# Altium PCB AD-FMComms3_revA.PcbDoc (part 1 of 6) (continued)
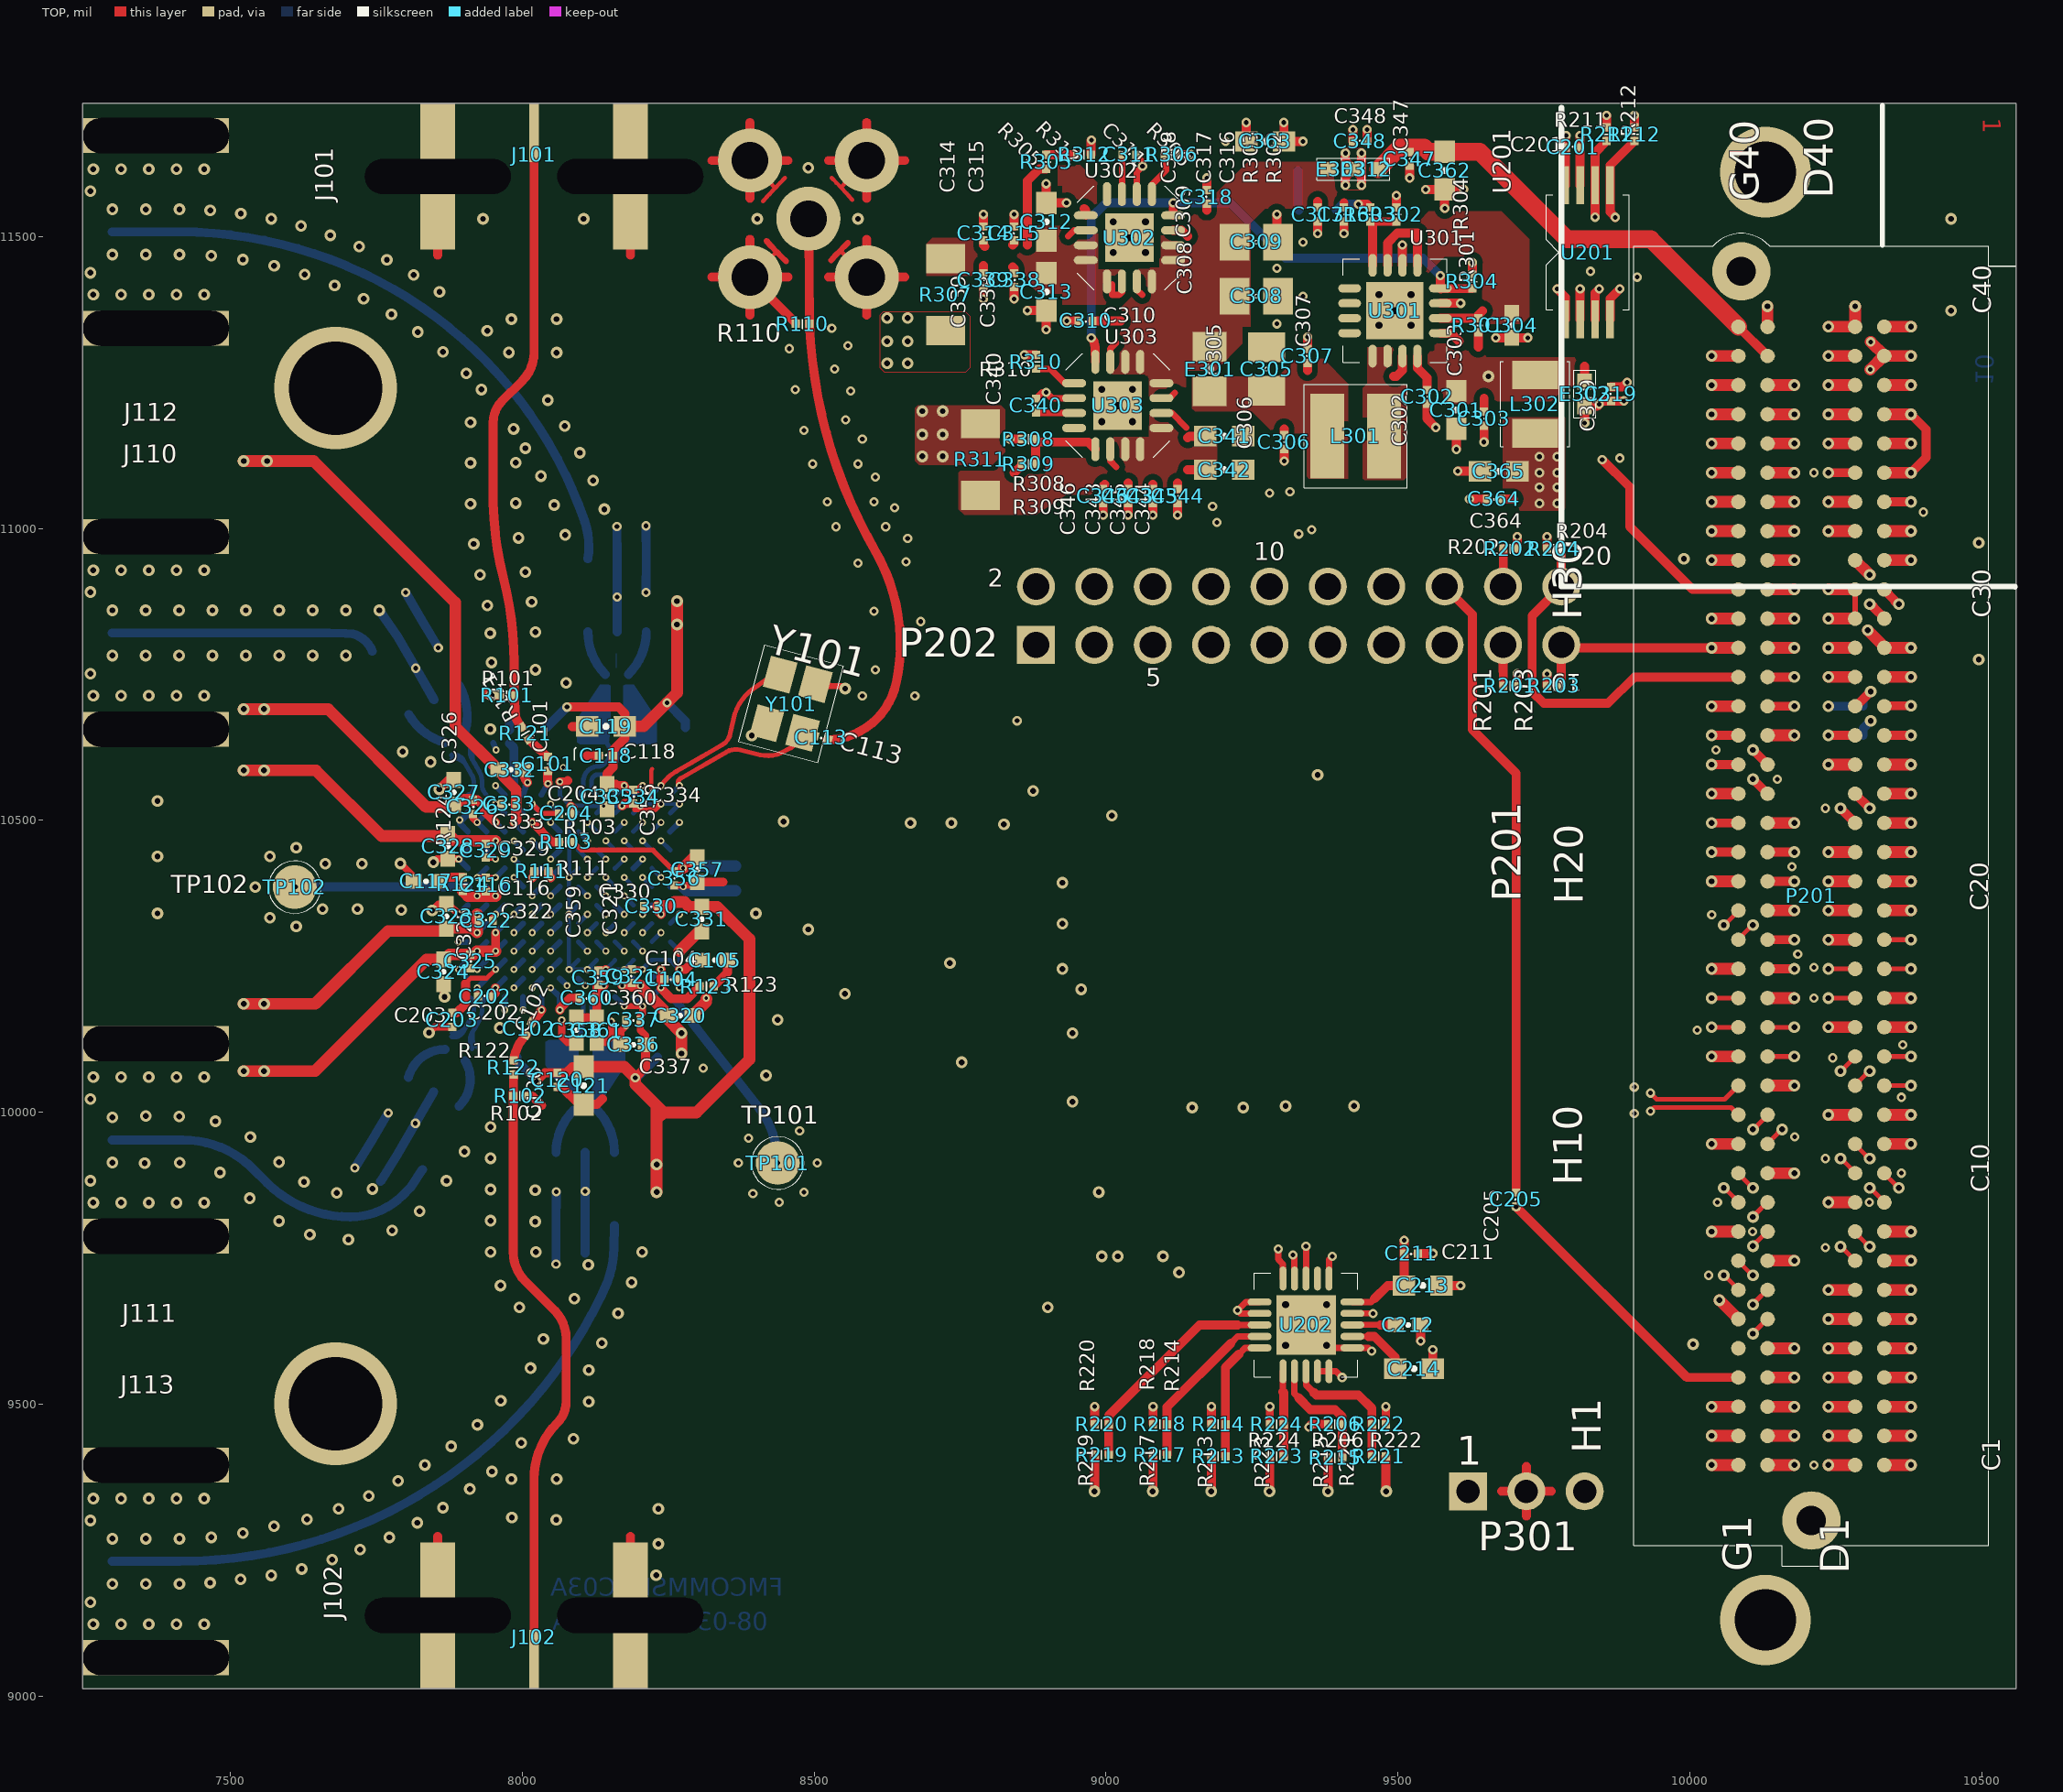
[diagram p0: TOP view]
## Components (designator, comment, footprint, x,y, rotation, side; value= is the part's Value field where it differs from the comment) (continued)
SSSS "AD9361_SM-AD9361BBCZ,E011827,BB" BGA144 8080,10370.5 r90 bottom
T105 "XFMRTCMXXXX_V3_SM-TCM1-63AX+,EB" TSML150W160H160#1 7817.5,10760.5 r210 bottom
T106 "XFMRTCMXXXX_V3_SM-TCM1-63AX+,EB" TSML150W160H160#1 7816.79,9980.9 r330 bottom
T107 "XFMRTCMXXXX_V3_SM-TCM1-63AX+,EB" TSML150W160H160#2 8162.22,10885.48 r0 bottom
T108 "XFMRTCMXXXX_V3_SM-TCM1-63AX+,EB" TSML150W160H160#3 8107.77,9868.52 r0 bottom
TP101 "NCWP_TH-WP45,E002516,TPC75D45-A" TPC75D45 8437.5,9913 r0 top
TP102 "NCWP_TH-WP45,E002516,TPC75D45-A" TPC75D45 7610,10385.5 r0 top
TP201 "CNTP1P_SM-TP-108,E000956,TPSM7B" TPSM70X135 10062.5,9720.5 r270 bottom
TP202 "CNTP1P_SM-TP-108,E000956,TPSM7B" TPSM70X135 10110,9720.5 r90 bottom
TP203 "CNTP1P_SM-TP-108,E000956,TPSM7B" TPSM70X135 10057.5,9870.5 r270 bottom
TP204 "CNTP1P_SM-TP-108,E000956,TPSM7B" TPSM70X135 10110,9870.5 r270 bottom
TP205 "CNTP1P_SM-TP-108,E000956,TPSM7B" TPSM70X135 9935,10000.5 r270 bottom
TP206 "CNTP1P_SM-TP-108,E000956,TPSM7B" TPSM70X135 9935,10033 r270 bottom
TP207 "CNTP1P_SM-TP-108,E000956,TPSM7B" TPSM70X135 10037.5,10145.5 r0 bottom
TP208 "CNTP1P_SM-TP-108,E000956,TPSM7B" TPSM70X135 10037.5,10195.5 r0 bottom
TP209 "CNTP1P_SM-TP-108,E000956,TPSM7B" TPSM70X135 10110,10320.5 r0 bottom
TP210 "CNTP1P_SM-TP-108,E000956,TPSM7B" TPSM70X135 10057.5,10320.5 r0 bottom
TP211 "CNTP1P_SM-TP-108,E000956,TPSM7B" TPSM70X135 10037.45,10495.5 r0 bottom
TP212 "CNTP1P_SM-TP-108,E000956,TPSM7B" TPSM70X135 10110,9620.5 r270 bottom
TP213 "CNTP1P_SM-TP-108,E000956,TPSM7B" TPSM70X135 10110,9670.5 r270 bottom
TP214 "CNTP1P_SM-TP-108,E000956,TPSM7B" TPSM70X135 10110,9770.5 r270 bottom
TP215 "CNTP1P_SM-TP-108,E000956,TPSM7B" TPSM70X135 10110,9820.5 r90 bottom
TP216 "CNTP1P_SM-TP-108,E000956,TPSM7B" TPSM70X135 10160,9970.5 r0 bottom
TP217 "CNTP1P_SM-TP-108,E000956,TPSM7B" TPSM70X135 10110,9970.5 r0 bottom
TP218 "CNTP1P_SM-TP-108,E000956,TPSM7B" TPSM70X135 10177.5,10095.5 r90 bottom
TP219 "CNTP1P_SM-TP-108,E000956,TPSM7B" TPSM70X135 10177.5,10145.5 r270 bottom
TP220 "CNTP1P_SM-TP-108,E000956,TPSM7B" TPSM70X135 10257.5,9770.5 r0 bottom
TP221 "CNTP1P_SM-TP-108,E000956,TPSM7B" TPSM70X135 10307.5,9770.5 r0 bottom
TP222 "CNTP1P_SM-TP-108,E000956,TPSM7B" TPSM70X135 10260,9920.5 r0 bottom
TP223 "CNTP1P_SM-TP-108,E000956,TPSM7B" TPSM70X135 10307.5,9920.5 r0 bottom
TP224 "CNTP1P_SM-TP-108,E000956,TPSM7B" TPSM70X135 10307.5,10070.5 r270 bottom
TP225 "CNTP1P_SM-TP-108,E000956,TPSM7B" TPSM70X135 10260,10070.5 r270 bottom
TP226 "CNTP1P_SM-TP-108,E000956,TPSM7B" TPSM70X135 10240,10195.5 r0 bottom
TP227 "CNTP1P_SM-TP-108,E000956,TPSM7B" TPSM70X135 10242.5,10245.5 r0 bottom
TP228 "CNTP1P_SM-TP-108,E000956,TPSM7B" TPSM70X135 10237.45,10645.5 r0 bottom
TP229 "CNTP1P_SM-TP-108,E000956,TPSM7B" TPSM70X135 10237.45,10695.5 r0 bottom
TP230 "CNTP1P_SM-TP-108,E000956,TPSM7B" TPSM70X135 10310,9870.5 r270 bottom
TP231 "CNTP1P_SM-TP-108,E000956,TPSM7B" TPSM70X135 10360,9870.5 r270 bottom
TP232 "CNTP1P_SM-TP-108,E000956,TPSM7B" TPSM70X135 10382.5,10045.5 r270 bottom
TP233 "CNTP1P_SM-TP-108,E000956,TPSM7B" TPSM70X135 10380,10095.5 r270 bottom
TP234 "CNTP1P_SM-TP-108,E000956,TPSM7B" TPSM70X135 10380,10245.5 r270 bottom
TP235 "CNTP1P_SM-TP-108,E000956,TPSM7B" TPSM70X135 10380,10295.5 r270 bottom
TP236 "CNTP1P_SM-TP-108,E000956,TPSM7B" TPSM70X135 10379.09,10645.5 r0 bottom
TP237 "CNTP1P_SM-TP-108,E000956,TPSM7B" TPSM70X135 10379.09,10696.32 r0 bottom
TP238 "NCWP_TH-WP45,E002516,TPC75D45-A" TPC75D45 9180,9350.5 r0 bottom
TP239 "NCWP_TH-WP45,E002516,TPC75D45-A" TPC75D45 9080,9350.5 r0 bottom
TP240 "NCWP_TH-WP45,E002516,TPC75D45-A" TPC75D45 8980,9350.5 r0 bottom
TP241 "NCWP_TH-WP45,E002516,TPC75D45-A" TPC75D45 9280,9350.5 r0 bottom
TP243 "NCWP_TH-WP45,E002516,TPC75D45-A" TPC75D45 9380,9350.5 r0 bottom
TP244 "NCWP_TH-WP45,E002516,TPC75D45-A" TPC75D45 9480,9350.5 r0 bottom
TP245 "NCWP_TH-WP45,E002516,TPC75D45-A" TPC75D45 7375,10533 r0 bottom
TP246 "NCWP_TH-WP45,E002516,TPC75D45-A" TPC75D45 7375,10340.5 r0 bottom
TP247 "NCWP_TH-WP45,E002516,TPC75D45-A" TPC75D45 7375,10438 r0 bottom
U201 "ICM24CXX_SM-M24C02-WDW6TP,E017B" TSSOP8 9825,11473 r0 top
U202 "AD7291_SM-AD7291BCPZ,E017361,QB" QFN20_4X4_PAD2_6X2_6 9342.5,9635.5 r0 top
U301 "ADP2164_SM-ADP2164ACPZ,E013699B" QFN16_4X4_PAD2_5X2_5 9495,11373 r180 top
U302 "ADP1755_SM-ADP1755ACPZ,E012964B" QFN16_4X4_PAD2_1X2_1 9040,11498 r90 top
U303 "ADP1755_SM-ADP1755ACPZ,E012964B" QFN16_4X4_PAD2_1X2_1 9020,11210.5 r180 top
Y101 "XTALOUTD2B0166_SM-40.000000MEGB" XTALNX3225 8460.69,10699.78 r75 top

## Footprints (in the part's own frame and the unit in brackets; to place one, negate y for a bottom-side part, rotate by r counter-clockwise, add the part's x,y. Pads: shape width x height; smd on the part's side, far side on the other; paste and mask are expansions set on the pad)
BGA144 [mil] "BGA144"
  round 14 smd: A1(-173.23,-173.23) A2(-173.23,-141.73) A3(-173.23,-110.24) A4(-173.23,-78.74) A5(-173.23,-47.24) A6(-173.23,-15.75) A7(-173.23,15.75) A8(-173.23,47.24) A9(-173.23,78.74) A10(-173.23,110.24) A11(-173.23,141.73) A12(-173.23,173.23) B1(-141.73,-173.23) B2(-141.73,-141.73) B3(-141.73,-110.24) B4(-141.73,-78.74) B5(-141.73,-47.24) B6(-141.73,-15.75) B7(-141.73,15.75) B8(-141.73,47.24) B9(-141.73,78.74) B10(-141.73,110.24) B11(-141.73,141.73) B12(-141.73,173.23) C1(-110.24,-173.23) C2(-110.24,-141.73) C3(-110.24,-110.24) C4(-110.24,-78.74) C5(-110.24,-47.24) C6(-110.24,-15.75) C7(-110.24,15.75) C8(-110.24,47.24) C9(-110.24,78.74) C10(-110.24,110.24) C11(-110.24,141.73) C12(-110.24,173.23) D1(-78.74,-173.23) D2(-78.74,-141.73) D3(-78.74,-110.24) D4(-78.74,-78.74) D5(-78.74,-47.24) D6(-78.74,-15.75) D7(-78.74,15.75) D8(-78.74,47.24) D9(-78.74,78.74) D10(-78.74,110.24) D11(-78.74,141.73) D12(-78.74,173.23) E1(-47.24,-173.23) E2(-47.24,-141.73) E3(-47.24,-110.24) E4(-47.24,-78.74) E5(-47.24,-47.24) E6(-47.24,-15.75) E7(-47.24,15.75) E8(-47.24,47.24) E9(-47.24,78.74) E10(-47.24,110.24) E11(-47.24,141.73) E12(-47.24,173.23) F1(-15.75,-173.23) F2(-15.75,-141.73) F3(-15.75,-110.24) F4(-15.75,-78.74) F5(-15.75,-47.24) F6(-15.75,-15.75) F7(-15.75,15.75) F8(-15.75,47.24) F9(-15.75,78.74) F10(-15.75,110.24) F11(-15.75,141.73) F12(-15.75,173.23) G1(15.75,-173.23) G2(15.75,-141.73) G3(15.75,-110.24) G4(15.75,-78.74) G5(15.75,-47.24) G6(15.75,-15.75) G7(15.75,15.75) G8(15.75,47.24) G9(15.75,78.74) G10(15.75,110.24) G11(15.75,141.73) G12(15.75,173.23) H1(47.24,-173.23) H2(47.24,-141.73) H3(47.24,-110.24) H4(47.24,-78.74) H5(47.24,-47.24) H6(47.24,-15.75) H7(47.24,15.75) H8(47.24,47.24) H9(47.24,78.74) H10(47.24,110.24) H11(47.24,141.73) H12(47.24,173.23) J1(78.74,-173.23) J2(78.74,-141.73) J3(78.74,-110.24) J4(78.74,-78.74) J5(78.74,-47.24) J6(78.74,-15.75) J7(78.74,15.75) J8(78.74,47.24) J9(78.74,78.74) J10(78.74,110.24) J11(78.74,141.73) J12(78.74,173.23) K1(110.24,-173.23) K2(110.24,-141.73) K3(110.24,-110.24) K4(110.24,-78.74) K5(110.24,-47.24) K6(110.24,-15.75) K7(110.24,15.75) K8(110.24,47.24) K9(110.24,78.74) K10(110.24,110.24) K11(110.24,141.73) K12(110.24,173.23) L1(141.73,-173.23) L2(141.73,-141.73) L3(141.73,-110.24) L4(141.73,-78.74) L5(141.73,-47.24) L6(141.73,-15.75) L7(141.73,15.75) L8(141.73,47.24) L9(141.73,78.74) L10(141.73,110.24) L11(141.73,141.73) L12(141.73,173.23) M1(173.23,-173.23) M2(173.23,-141.73) M3(173.23,-110.24) M4(173.23,-78.74) M5(173.23,-47.24) M6(173.23,-15.75) M7(173.23,15.75) M8(173.23,47.24) M9(173.23,78.74) M10(173.23,110.24) M11(173.23,141.73) M12(173.23,173.23)
  TOP lines w8: -78.74,47.24 -94.49,62.99 ; -15.75,47.24 -31.5,62.99 ; -78.74,78.74 -94.49,94.49 ; 110.24,78.74 125.98,94.49 ; 141.73,78.74 153.74,90.75 ; -78.74,110.24 -94.49,125.98 ; 110.24,110.24 125.98,125.98 ; 141.73,141.73 157.48,157.48 ; 173.23,141.73 188.98,157.48 ; -141.73,173.23 -157.48,188.98 ; -110.24,173.23 -125.98,188.98 ; -78.74,173.23 -94.49,188.98 ; 141.73,173.23 157.48,188.98 ; 173.23,173.23 188.98,188.98
  TOP lines w10: -31.5,-188.98 -15.75,-173.23 ; 130,-187.5 124.5,-187.5 110.24,-173.23 ; -157.48,-157.48 -141.73,-141.73 ; -125.98,-125.98 -110.24,-110.24 ; -31.5,-125.98 -15.75,-110.24 ; -150.2,-118.7 -141.73,-110.24 ; -157.48,-94.49 -141.73,-78.74 ; -94.49,-94.49 -78.74,-78.74 ; -62.99,-94.49 -47.24,-78.74 ; -31.5,-94.49 -15.75,-78.74 ; 62.99,-94.49 47.24,-78.74 ; 94.49,-94.49 78.74,-78.74 ; 157.48,-94.49 141.73,-78.74 ; -157.48,-62.99 -141.73,-47.24 ; -94.49,-62.99 -78.74,-47.24 ; -62.99,-62.99 -47.24,-47.24 ; -31.5,-62.99 -15.75,-47.24 ; 94.49,-62.99 78.74,-47.24 ; -94.49,-31.5 -78.74,-15.75 ; -62.99,-31.5 -47.24,-15.75 ; 125.98,-31.5 110.24,-15.75 ; 157.48,-31.5 141.73,-15.75 ; -141.73,47.24 -153.74,59.25 ; -15.75,78.74 -31.5,94.49 ; 47.24,110.24 62.99,125.98 ; -173.23,173.23 -188.98,188.98 ; 110.24,173.23 125.98,188.98
  silkscreen extent -242,-247 212,212, body extent -397,-397 397,397, height 150
C0201#1 [mil] "C0201"
  rect 14x14 smd: 1(-12.01,-0.01) 2(11.99,-0.01)
  silkscreen extent -1,0 1,2, body extent -34,-23 34,23, height 150
C0201#2 [mil] "C0201"
  rect 14x14 smd rot 0.03: 1(-12,0) 2(12,0)
  silkscreen extent -1,0 1,2, body extent -34,-23 34,23, height 150
C0201#3 [mil] "C0201"
  rect 14x14 smd rot 0.01: 1(-12,0) 2(12,0)
  silkscreen extent -1,0 1,2, body extent -34,-23 34,23, height 150
C0402 [mil] "C0402"
  rect 27.5x25 smd: 1(-21.25,0) 2(21.25,0)
  silkscreen extent -2,-2 2,2, body extent -41,-19 41,19, height 150
C0603 [mil] "C0603"
  rect 38.5x35 smd: 1(-32.25,0) 2(32.25,0)
  silkscreen extent -3,-3 3,3, body extent -57,-24 57,24, height 150
C0805H60 [mil] "C0805H60"
  rect 51x63 smd: 1(-37.5,0) 2(37.5,0)
  silkscreen extent -3,-3 3,3, body extent -78,-47 78,47, height 150
CNBERG1X3H205LD36 [mil] "CNBERG1X3H205LD36"
  rect 65x65 / inner round 65 / far side rect 65x65 hole 40: 1(-100,0)
  round 65 hole 40: 2(0,0) 3(100,0)
  silkscreen extent -150,-50 150,50, body extent -165,-65 165,65, height 150
CNBERGF2X10H335LD32 [mil] "CNBERGF2X10H335LD32"
  rect 65x65 / inner round 65 / far side rect 65x65 hole 45: 1(-450,50)
  round 65 hole 45: 2(-450,-50) 3(-350,50) 4(-350,-50) 5(-250,50) 6(-250,-50) 7(-150,50) 8(-150,-50) 9(-50,50) 10(-50,-50) 11(50,50) 12(50,-50) 13(150,50) 14(150,-50) 15(250,50) 16(250,-50) 17(350,50) 18(350,-50) 19(450,50) 20(450,-50)
  silkscreen extent -500,-100 500,100, body extent -515,-115 515,115, height 150
CNJOHNSON142-0701-201 [mil] "CNJOHNSON142-0701-201"
  round 110 hole 63: 1(100,100) 2(100,-100) 3(-100,-100) 4(-100,100) 5(0,0)
  silkscreen extent -169,-172 169,172
CNJOHNSON142-0701-851#1 [mil] "CNJOHNSON142-0701-851"
  rect 100x17 smd: 1(85,0)
  rect 250x60 / inner oval 250x60 / far side rect 250x60 hole 60 slot 250 at 90 deg: 2(10,165) 4(10,-165)
  round 12 smd: 3(10,165) 5(10,-165)
  body extent -105,-210 105,210, height 150
CNJOHNSON142-0701-851#2 [mil] "CNJOHNSON142-0701-851"
  rect 100x17 smd: 1(-85,0)
  rect 250x60 / inner oval 250x60 / far side rect 250x60 hole 60 slot 250 at 0 deg: 2(-10,-165) 4(-10,165)
  round 12 smd: 3(-10,-165) 5(-10,165)
  body extent -105,-210 105,210, height 150
CNSAMTECASP-134604-01 [mil] "CNSAMTECASP-134604-01"
  round 25 smd: C1(-968.5,-125) C2(-918.5,-125) C3(-868.5,-125) C4(-818.5,-125) C5(-768.5,-125) C6(-718.5,-125) C7(-668.5,-125) C8(-618.5,-125) C9(-568.5,-125) C10(-518.5,-125) C11(-468.5,-125) C12(-418.5,-125) C13(-368.5,-125) C14(-318.5,-125) C15(-268.5,-125) C16(-218.5,-125) C17(-168.5,-125) C18(-118.5,-125) C19(-68.5,-125) C20(-18.5,-125) C21(31.5,-125) C22(81.5,-125) C23(131.5,-125) C24(181.5,-125) C25(231.5,-125) C26(281.5,-125) C27(331.5,-125) C28(381.5,-125) C29(431.5,-125) C30(481.5,-125) C31(531.5,-125) C32(581.5,-125) C33(631.5,-125) C34(681.5,-125) C35(731.5,-125) C36(781.5,-125) C37(831.5,-125) C38(881.5,-125) C39(931.5,-125) C40(981.5,-125) D1(-968.5,-75) D2(-918.5,-75) D3(-868.5,-75) D4(-818.5,-75) D5(-768.5,-75) D6(-718.5,-75) D7(-668.5,-75) D8(-618.5,-75) D9(-568.5,-75) D10(-518.5,-75) D11(-468.5,-75) D12(-418.5,-75) D13(-368.5,-75) D14(-318.5,-75) D15(-268.5,-75) D16(-218.5,-75) D17(-168.5,-75) D18(-118.5,-75) D19(-68.5,-75) D20(-18.5,-75) D21(31.5,-75) D22(81.5,-75) D23(131.5,-75) D24(181.5,-75) D25(231.5,-75) D26(281.5,-75) D27(331.5,-75) D28(381.5,-75) D29(431.5,-75) D30(481.5,-75) D31(531.5,-75) D32(581.5,-75) D33(631.5,-75) D34(681.5,-75) D35(731.5,-75) D36(781.5,-75) D37(831.5,-75) D38(881.5,-75) D39(931.5,-75) D40(981.5,-75) G1(-968.5,75) G2(-918.5,75) G3(-868.5,75) G4(-818.5,75) G5(-768.5,75) G6(-718.5,75) G7(-668.5,75) G8(-618.5,75) G9(-568.5,75) G10(-518.5,75) G11(-468.5,75) G12(-418.5,75) G13(-368.5,75) G14(-318.5,75) G15(-268.5,75) G16(-218.5,75) G17(-168.5,75) G18(-118.5,75) G19(-68.5,75) G20(-18.5,75) G21(31.5,75) G22(81.5,75) G23(131.5,75) G24(181.5,75) G25(231.5,75) G26(281.5,75) G27(331.5,75) G28(381.5,75) G29(431.5,75) G30(481.5,75) G31(531.5,75) G32(581.5,75) G33(631.5,75) G34(681.5,75) G35(731.5,75) G36(781.5,75) G37(831.5,75) G38(881.5,75) G39(931.5,75) G40(981.5,75) H1(-968.5,125) H2(-918.5,125) H3(-868.5,125) H4(-818.5,125) H5(-768.5,125) H6(-718.5,125) H7(-668.5,125) H8(-618.5,125) H9(-568.5,125) H10(-518.5,125) H11(-468.5,125) H12(-418.5,125) H13(-368.5,125) H14(-318.5,125) H15(-268.5,125) H16(-218.5,125) H17(-168.5,125) H18(-118.5,125) H19(-68.5,125) H20(-18.5,125) H21(31.5,125) H22(81.5,125) H23(131.5,125) H24(181.5,125) H25(231.5,125) H26(281.5,125) H27(331.5,125) H28(381.5,125) H29(431.5,125) H30(481.5,125) H31(531.5,125) H32(581.5,125) H33(631.5,125) H34(681.5,125) H35(731.5,125) H36(781.5,125) H37(831.5,125) H38(881.5,125) H39(931.5,125) H40(981.5,125)
  round 100 hole 50 unplated: ""(-1063.5,0) ""(1076.5,120)
  silkscreen extent -1142,-304 1141,304, body extent -1142,-304 1141,304, height 150
L0402 [mil] "L0402"
  rect 27.5x25 smd: 1(-21.25,0) 2(21.25,0)
  silkscreen extent -41,-19 41,19, body extent -41,-19 41,19, height 150
L0805 [mil] "L0805"
  rect 51x58 smd: 1(-38,0) 2(38,0)
  silkscreen extent -4,-4 4,4, body extent -70,-35 70,35, height 150
L0805-F#1 [mil] "L0805-F"
  rect 43x59 smd: 1(41.19,0) 2(-41.19,0)
  silkscreen extent -78,-44 78,69, body extent -78,-44 78,44, height 150
L0805-F#2 [mil] "L0805-F"
  rect 43x59 smd: 1(-41.19,0) 2(41.19,0)
  silkscreen extent -78,-69 78,44, body extent -78,-44 78,44, height 150
L1210H67 [mil] "L1210H67"
  rect 49x79 smd: 1(-50.09,0) 2(50.09,0)
  silkscreen extent -73,-59 73,59, body extent -90,-64 90,64, height 150
LED0603 [mil] "LED0603"
  rect 38x30 smd: A(31.5,0) C(-31.5,0)
  TOP keep-out region: -10,-10 10,-10 10,10 -10,10 -10,-10
  silkscreen extent -72,-31 66,31, body extent -66,-31 66,31, height 150
LSMSQ157H83 [mil] "LSMSQ157H83"
  rect 58x145 smd: 1(-48.5,0) 2(48.5,0)
  silkscreen extent -89,-89 89,89, body extent -94,-94 94,94, height 150
QFN16_4X4_PAD2_1X2_1 [mil] "QFN16_4X4_PAD2_1X2_1"
  oval 14x41 smd: 1(-38.39,-74.8) 2(-12.8,-74.8) 3(12.8,-74.8) 4(38.39,-74.8) 9(38.39,74.8) 10(12.8,74.8) 11(-12.8,74.8) 12(-38.39,74.8)
  oval 41x14 smd: 5(74.8,-38.39) 6(74.8,-12.8) 7(74.8,12.8) 8(74.8,38.39) 13(-74.8,38.39) 14(-74.8,12.8) 15(-74.8,-12.8) 16(-74.8,-38.39)
  rect 83x83 smd: PAD(0,0)
  silkscreen extent -104,-109 89,89, body extent -110,-110 110,110, height 150
QFN16_4X4_PAD2_5X2_5 [mil] "QFN16_4X4_PAD2_5X2_5"
  oval 14x39 smd: 1(-38.39,-77.72) 2(-12.8,-77.72) 3(12.8,-77.72) 4(38.39,-77.72) 9(38.39,77.72) 10(12.8,77.72) 11(-12.8,77.72) 12(-38.39,77.72)
  oval 39x14 smd: 5(77.72,-38.39) 6(77.72,-12.8) 7(77.72,12.8) 8(77.72,38.39) 13(-77.72,38.39) 14(-77.72,12.8) 15(-77.72,-12.8) 16(-77.72,-38.39)
  rect 98x98 smd: PAD(0,0)
  silkscreen extent -133,-133 89,89, body extent -112,-112 112,112, height 150
QFN20_4X4_PAD2_6X2_6 [mil] "QFN20_4X4_PAD2_6X2_6"
  oval 12x41 smd: 1(-39.37,-79.5) 2(-19.69,-79.5) 3(0,-79.5) 4(19.69,-79.5) 5(39.37,-79.5) 11(39.37,79.5) 12(19.69,79.5) 13(0,79.5) 14(-19.69,79.5) 15(-39.37,79.5)
  oval 41x12 smd: 6(79.5,-39.37) 7(79.5,-19.69) 8(79.5,0) 9(79.5,19.69) 10(79.5,39.37) 16(-79.5,39.37) 17(-79.5,19.69) 18(-79.5,0) 19(-79.5,-19.69) 20(-79.5,-39.37)
  rect 102x102 smd: PAD(0,0)
  silkscreen extent -133,-133 89,89, body extent -115,-115 115,115, height 150
R0201#1 [mil] "R0201"
  rect 14x14 smd: 1(-12,0) 2(12,0)
  silkscreen extent 0,-8 0,8, body extent -34,-23 34,23, height 150
R0201#2 [mil] "R0201"
  rect 14x14 smd: 1(12,0) 2(-12,0)
  silkscreen extent 0,-8 0,8, body extent -34,-23 34,23, height 150
R0603 [mil] "R0603"
  rect 38.5x35 smd: 1(-32.25,0) 2(32.25,0)
  silkscreen extent -4,-21 4,22, body extent -57,-24 57,24, height 150
R1206 [mil] "R1206"
  rect 50x67 smd: 1(-61.5,0) 2(61.5,0)
  silkscreen extent -7,-38 7,38, body extent -98,-39 98,39, height 150
TPC75D45 [mil] "TPC75D45"
  round 75 smd: 1(0,0)
  silkscreen extent -45,-45 45,45, body extent -45,-45 45,45, height 150
TPSM70X135 [mil] "TPSM70X135"
  rect 14x30 smd: 1(0,0)
  body extent -13,-20 13,20, height 150
TSML150W160H160#1 [mil] "TSML150W160H160"
  rect 30x65.01 smd: 1(-50,62.5) 2(0,62.5) 3(50,62.5) 4(50,-62.5) 5(0,-62.5) 6(-50,-62.5)
  silkscreen extent -130,-110 90,110, body extent -90,-110 90,110, height 150
TSML150W160H160#2 [mil] "TSML150W160H160"
  rect 30x65 smd: 1(50,-62.5) 2(0,-62.5) 3(-50,-62.5) 4(-50,62.5) 5(0,62.5) 6(50,62.5)
  silkscreen extent -90,-110 130,110, body extent -90,-110 90,110, height 150
TSML150W160H160#3 [mil] "TSML150W160H160"
  rect 30x65 smd: 1(-50,62.5) 2(0,62.5) 3(50,62.5) 4(50,-62.5) 5(0,-62.5) 6(-50,-62.5)
  silkscreen extent -130,-110 90,110, body extent -90,-110 90,110, height 150
TSSOP8 [mil] "TSSOP8"
  rect 13x65 smd: 1(-38.39,-114.96) 2(-12.8,-114.96) 3(12.8,-114.96) 4(38.39,-114.96) 5(38.39,114.96) 6(12.8,114.96) 7(-12.8,114.96) 8(-38.39,114.96)
  silkscreen extent -90,-133 71,99
XTALNX3225 [mil] "XTALNX3225"
  rect 55.01x47 smd: 1(-43.32,-31.51) 2(43.3,-31.51) 3(43.3,31.5) 4(-43.32,31.5)
  silkscreen extent -86,-121 86,70, body extent -86,-70 86,70, height 150

## Free pads (board coordinates)
  round 210 hole 100 square: ""(7680,9500.5) ""(7680,11240.5)
  round 155 hole 105: ""(10129.61,9129.98) ""(10129.61,11610.29)

## Via types
v1: diameter 20, hole 10, TOP to BOTTOM, 458 vias
v2: diameter 16, hole 8, TOP to BOTTOM, 196 vias
v3: diameter 12, hole 6, TOP to BOTTOM, 135 vias
v4: diameter 28, hole 12, TOP to BOTTOM, 19 vias
v5: diameter 210, hole 160, TOP to BOTTOM, 2 vias
v6: diameter 155, hole 105, TOP to BOTTOM, 2 vias

## Nets (pads, with @x,y where several pads share a name; then routed paths per layer and width w, separated by ;. In a path a pad name is that pad's centre, name@x,y a point inside that pad or via, vN(x,y) a via of type N, cw(c..) or ccw(c..) an arc to the next point about the centre after c; other vN are vias at no path point)
1P3_SUPPLY_A: C320.1 C321.1 C322.1 C323.1 C326.1 C327.1 C328.1 C329.1 R223.1 R307.2 SSSS.B9 SSSS.B10 SSSS.E2 SSSS.F2 SSSS.J3 SSSS.K3 TP241.1 | length 1890.3
  TOP w10: v3(7922.52,10307.51) v3@7922.52,10308.19 ; C322.1@7922.52,10322.93 ccw(c7919.7,10328) C322.1@7925.5,10328 ; C329.1@7934.4,10464.99 cw(c7931.93,10460) C329.1@7937.5,10460
  TOP w15.5: C323.1@7870,10314.25 C323.1@7870,10315.75 ; C326.1@7915,10535 7923,10535 7927.25,10530.75 ; 7927.29,10530.75 7934.75,10523.29 7934.75,10515.75 v3(7954.02,10496.48) ; v3(8171.01,10216.76) C321.1@8187.5,10216.76 ; C321.1@8187.5,10221 8198.27,10221 v3(8202.51,10216.76) ; v1(9280,9350.5) 9280.5,9351 R223.1@9280.5,9410.5
  TOP w20: v1(7522.5,10185.5) v1(7557.5,10185.5) 7645,10185.5 7770,10310.5 7864.75,10310.5 7870,10315.75 7914.28,10315.75 7921.84,10308.19 7922.52,10308.19 7922.52,10322.93 v3(7922.52,10339) ; v1(7522.5,10585.5) v1(7557.5,10585.5) 7646.25,10585.5 7758.75,10473 7868.75,10473 C328.1@7872.5,10476.75 7884.26,10464.99 7934.4,10464.99 v3(7954.02,10464.99) ; v1(7522.5,10690.5) v1(7557.5,10690.5) 7667.5,10690.5 7835,10523 7878.75,10523 C327.1@7882.5,10526.75 7895.75,10535 C326.1@7915,10535 ; C321.1@8187.5,10216.76 v3@8200.45,10216.76 ; v3(8202.51,10216.76) v3@8200.45,10216.76 ; v1(8272.5,10100.5) v1(8272.5,10135.5) 8248.75,10159.25 C320.1@8248.75,10165.5 8248.75,10168.46 v3@8200.45,10216.76
  BOTTOM w10: v3(7922.52,10307.51) SSSS.E2@7938.27,10323.26 ; v3(7922.52,10339) SSSS.F2@7938.27,10354.75 ; v3(7954.02,10464.99) SSSS.J3@7969.76,10449.24 ; v3(7954.02,10496.48) SSSS.K3@7969.76,10480.74 ; SSSS.B9@8158.74,10228.77 8170.75,10216.76 v3(8171.01,10216.76) ; SSSS.B10@8190.24,10228.77 8202.25,10216.76 v3(8202.51,10216.76)
  other v1: 8625,11283 8660,11283 8625,11320.5 8660,11320.5 8625,11360.5 8660,11360.5
1P3_SUPPLY_B: C118.2 C119.1 C120.2 C121.1 C324.1 C325.1 C330.1 C331.1 C332.1 C333.1 C334.1 C335.1 C336.1 C337.1 L101.1 L103.1 L105.1 L107.1 R221.1 R311.2 SSSS.A9 SSSS.A10 SSSS.D2 SSSS.D3 SSSS.E3 SSSS.F12 SSSS.K4 SSSS.M9 SSSS.M10 TP244.1 | length 3675.4
  TOP w10: v3(8174.49,10181.52) v3(8205.99,10181.52)
  TOP w12: v3(8174.49,10559.48) 8181.47,10552.5 C334.1@8190,10552.5 8199.01,10552.5 v3(8205.99,10559.48) ; v3(8205.99,10181.52) 8205.99,10169.49 8202,10165.5 C337.1@8202,10158 8202,10140.5 8211.25,10131.25 C336.1@8211.25,10115.5
  TOP w15: v3(7954.02,10276.01) v3(7954.02,10307.51)
  TOP w15.5: v3(7985.51,10496.48) v3@7989.5,10500.47 ; v2(8024.4,10053.6) 8038.3,10067.5 C120.2@8060,10067.5 8075,10067.5 8085.25,10077.75 C121.1@8105,10077.75 ; v2(8076.59,10694) 8164.5,10694 8175.5,10683 C119.1@8175.5,10660.76 8175.5,10640.5 8155.25,10620.25 C118.2@8155.25,10610.76 8155.25,10590.5 8145,10580.25 C335.1@8145,10561.75 8160,10561.75 8162.27,10559.48 v3(8174.49,10559.48) ; v2(8193.4,10059) 8211.25,10076.85 C336.1@8211.25,10115.5 ; C330.1@8233,10353 8233,10343.48 v3(8237.49,10339.01) ; v2(8247.7,10701.3) v2@8247.79,10701.3 ; R221.1@9479.5,9410.5 9479.5,9351 v1(9480,9350.5)
  TOP w18: C332.1@7958.75,10586.75 7966.6,10578.9 7966.6,10575.19 7989.5,10552.29 C333.1@7989.5,10528 v3@7989.5,10500.47
  TOP w20: v1(7522.5,10070.5) v1(7557.5,10070.5) 7645,10070.5 7836.25,10261.75 C324.1@7865,10261.75 7866,10260.75 7875.5,10270.25 C325.1@7910.75,10270.25 7916.76,10270.25 v3(7922.52,10276.01) v3(7954.02,10276.01) ; v1(7522.5,11115.5) v1(7562.5,11115.5) 7642.5,11115.5 7885,10873 7885,10660.5 C332.1@7958.75,10586.75 ; C121.1@8105,10077.75 8174.65,10077.75 v2(8193.4,10059) 8193.4,10048.1 8230,10011.5 ; C119.1@8175.5,10660.76 8207.25,10660.76 8247.79,10701.3 8265,10718.51 v1(8265,10835.5) v1(8265,10875.5) ; v1(8230,9863) v1(8230,9910.5) 8230,9987.5 ; C330.1@8233,10353 8253.27,10353 8260.27,10360 8277.67,10360 8285.92,10351.75 C331.1@8307.5,10351.75 8333.75,10351.75 8389,10296.5 8389,10090.5 8298,9999.5 8242,9999.5 ; 8230,9987.5 8230,10011.5 ; 8230,9987.5 8242,9999.5 ; 8230,10011.5 8242,9999.5
  BOTTOM w10: v3(7922.52,10276.01) SSSS.D2@7938.27,10291.76 ; v3(7954.02,10276.01) SSSS.D3@7969.76,10291.76 ; v3(7954.02,10307.51) SSSS.E3@7969.76,10323.26 ; v3(7985.51,10496.48) SSSS.K4@8001.26,10480.74 ; SSSS.A9@8158.74,10197.27 v3(8174.49,10181.52) ; SSSS.M9@8158.74,10543.73 v3(8174.49,10559.48) ; SSSS.A10@8190.24,10197.27 v3(8205.99,10181.52) ; SSSS.M10@8190.24,10543.73 v3(8205.99,10559.48) ; v3(8237.49,10339.01) SSSS.F12@8253.23,10354.75
  BOTTOM w15.5: L105.1@7991.01,10094 7991.01,10086.99 v2(8024.4,10053.6) ; L103.1@8038.6,10659.5 8039.6,10658.5 8041.09,10658.5 v2(8076.59,10694) ; v2(8193.4,10059) 8195.89,10059 L107.1@8231.39,10094.5 ; v2(8247.7,10701.3) 8278.98,10670.02 L101.1@8278.98,10659
  other v1: 8685,11123.5 8720,11123.5 8685,11161 8720,11161 8685,11201 8720,11201
1P8V: C308.2 C309.2 C310.1 C316.1 C317.1 C318.1 E301.2 E303.2 R205.2 R303.2 U302.1 U302.2 U302.3 U302.15 U302.16 U303.1 U303.2 U303.3 U303.15 U303.16 | length 261.1
  TOP w11: U303.3@9007.2,11285.3 9007.2,11308.02 9017.04,11317.86 ; U302.15@9052.8,11423.2 9052.8,11409.12 9061.89,11400.03 ; U303.15@9094.8,11223.3 9108.88,11223.3 9117.97,11232.39
  TOP w15.5: C310.1@8977,11355.5 9025,11355.5 ; U302.3@9114.8,11510.8 9129.7,11510.8 9140,11500.5 ; 9172.5,11545.5 C318.1@9172.5,11556 ; C317.1@9362.5,11550 9362.5,11560.5 ; C316.1@9407.5,11550 9407.5,11558 ; v2(9432.5,11555.5) 9447,11555.5 R303.2@9452.5,11550
  BOTTOM w15.5: R205.2@9394.75,11545.5 9404.75,11555.5 v2(9432.5,11555.5)
3.3VAUX: C201.1 C211.2 C213.1 P201.D32 R211.2 R212.2 R213.1 TP238.1 U201.8 U202.10 U202.16 U202.17 | length 3581.8
  TOP w11: U202.17@9263,9655.19 9230.31,9655.19 v2(9225,9660.5) 9239.37,9674.87 U202.16@9263,9674.87 ; U202.10@9422,9674.87 9454.37,9674.87 9460,9680.5
  TOP w15.5: v1(9180,9350.5) 9180.5,9351 R213.1@9180.5,9410.5 ; 9460,9680.5 9482.5,9703 C213.1@9510.25,9703 9510.5,9703.25 C211.2@9510.5,9758 v2(9510.5,9780.5) ; U201.8@9786.61,11587.96 9786.61,11651.89 C201.1@9788,11653 v2(9788,11673) ; R211.2@9857.5,11687.5 v2(9857.5,11707.5) ; R212.2@9905,11687.5 v2(9905,11707.5)
  TOP w20: P201.D32@10283.27,10945.5 v1(10308.27,10920.5)
  L3_PWR w20: v2(9510.5,9780.5) 9510.5,9783 9432.4,9704.9 9269.4,9704.9 v2(9225,9660.5) 9217.5,9653 9217.5,9388 v1(9180,9350.5) 9140,9310.5 9067.5,9310.5 9047.5,9330.5 9047.5,9968 9630,10550.5 9630,10988 9677.5,11035.5 9677.5,11230.5 9757.5,11310.5
3P3V: C364.1 C365.1 L302.1 P201.C39 P201.D36 P201.D38 P201.D40 P301.1 R217.1 TP239.1 | length 539.1
  TOP w15.5: v1(9080,9350.5) 9080.5,9351 R217.1@9080.5,9413 ; C364.1@9677,11050.5 9697.5,11050.5
  TOP w20: v1(10237.45,11145.5) P201.D36@10283.27,11145.5 ; v1(10237.45,11245.5) P201.D38@10283.27,11245.5 ; v1(10237.45,11345.5) P201.D40@10283.27,11345.5 v1(10283.27,11380.5) ; v2(10309.12,11272.28) 10332.34,11295.5 P201.C39@10333.27,11295.5 ; v2(10310.05,11319.65) 10333.27,11296.43 P201.C39@10333.27,11295.5 ; v1(10379.09,11295.5) P201.C39@10333.27,11295.5
  L3_PWR w24: 9577.48,9350.5 P301.1@9620,9350.5 ; 9620,9307.98 P301.1@9620,9350.5 ; 9620,9393.02 P301.1@9620,9350.5 ; 9662.52,9350.5 P301.1@9620,9350.5
  other v2: 9742.5,11043 9772.5,11043 9742.5,11070.5 9772.5,11070.5 9742.5,11095.5 9772.5,11095.5 9742.5,11123 9772.5,11123
12V: P201.C35 P201.C37 P301.3 | length 383.2
  TOP w15.5: v1(10379.09,11095.5) 10405,11121.41 10405,11169.59 v1(10379.09,11195.5)
  TOP w20: P201.C35@10333.27,11095.5 v1(10379.09,11095.5) ; P201.C37@10333.27,11195.5 v1(10379.09,11195.5)
  L8_PWR w24: 9777.48,9350.5 P301.3@9820,9350.5 ; 9820,9307.98 P301.3@9820,9350.5 ; 9820,9393.02 P301.3@9820,9350.5 ; 9862.52,9350.5 P301.3@9820,9350.5
AUXADC: C204.2 SSSS.L5 TP245.1 | length 1429
  TOP w9: v3(8017.01,10527.98) 8033.24,10511.75 8041.84,10511.75 8042.07,10511.98 8054.93,10511.98 8055.16,10511.75 C204.2@8063,10511.75
  L5_SIG w4.9: v1(7375,10533) 7430,10478 7430,10373 7537.5,10265.5 7672.5,10265.5 7840,10098 7977.5,10098 8047.5,10168 8047.5,10183 8032.5,10198 8032.5,10283 8040,10290.5 8052.5,10290.5 8062.5,10300.5 8062.5,10313 8052.5,10323 8042.5,10323 8032.5,10333 8032.5,10500.5 8017.01,10515.99 v3(8017.01,10527.98)
  BOTTOM w10: v3(8017.01,10527.98) SSSS.L5@8032.76,10512.23
AUXDAC1: C202.2 SSSS.B3 TP247.1 | length 700.4
  TOP w15.5: C202.2@7947.75,10198.25 7954.01,10204.51 v3(7954.01,10213.02)
  L6_SIG w4.9: v1(7375,10438) 7540,10273 7637.5,10273 7682.5,10228 7940,10228 7954.01,10213.99 v3(7954.01,10213.02)
  BOTTOM w10: v3(7954.01,10213.02) 7961.29,10220.3
AUXDAC2: C203.2 SSSS.C3 TP246.1 | length 851.5
  TOP w8: 7903.02,10221.02 7911.52,10229.52 7939.02,10229.52 v3(7954.02,10244.52)
  TOP w10: 7902.5,10220.5 7903.02,10221.02
  TOP w15.5: C203.2@7880,10170 7887,10170 7902.5,10185.5 7902.5,10220.5
  L6_SIG w4.9: v1(7375,10340.5) 7495,10220.5 7610,10220.5 7657.5,10173 7940,10173 7970,10203 7970,10230.5 7955.98,10244.52 v3(7954.02,10244.52)
CLK_OUT: C205.1 P201.H4 SSSS.J6 | length 2599.8
  TOP w15.5: C205.1@9702.5,9838.5 v2(9702.5,9838) 9995,9545.5 P201.H4@10083.27,9545.5
  L6_SIG w4.9: v3(8048.5,10433.49) 8063.07,10418.92 8063.07,10199.93 8083.75,10179.25 8083.75,10151.75 8149,10086.5 8149,10076.5 8224.25,10001.25 8246.75,10001.25 8342.5,9905.5 8342.5,9885.5 8405,9823 8567.5,9823 8582.5,9838 v2(9702.5,9838)
  BOTTOM w10: v3(8048.5,10433.49) SSSS.J6@8064.25,10449.24
CTRL_IN0: P201.H28 P202.20 R204.1 SSSS.C5 | length 4115.7
  TOP w15.5: R204.1@9779.5,10965.5 9779.5,10901 P202.20@9780,10900.5 9730,10850.5 9730,10720.5 9750,10700.5 9860,10700.5 9905,10745.5 P201.H28@10083.27,10745.5
  L5_SIG w4.9: v3(8017.01,10244.52) 8017.01,10232.05 8003.56,10218.6 8003.56,10196.56 7985,10178 7985,10171.21 7975.34,10161.55 7964.18,10161.55 7960.2,10165.5 7869.99,10165.5 7852.49,10183 7837.5,10183 7695,10325.5 7695,10473 7675,10493 7675,10875.5 7892.5,11093 7932.5,11093 7995,11155.5 8415,11155.5 8442.5,11128 8635,11128 8650,11143 8755,11143 8780,11118 9130.6,11118 9327.5,10921.1 9327.5,10893 9360,10860.5 9605,10860.5 9627.5,10883 9627.5,10908 9665,10945.5 9735,10945.5 P202.20@9780,10900.5
  BOTTOM w10: v3(8017.01,10244.52) SSSS.C5@8032.76,10260.26
CTRL_IN1: P201.H29 P202.19 R203.1 SSSS.C6 | length 4781.7
  TOP w15.5: R203.1@9779.5,10730.5 9779.5,10754.74 9780,10755.24 P202.19@9780,10800.5 9785,10795.5 v1(10037.45,10795.5)
  TOP w20: v1(10037.45,10795.5) P201.H29@10083.27,10795.5
  L5_SIG w4.9: v3(8048.5,10244.52) 8062.52,10230.5 8113.31,10230.5 8125,10218.81 8125,10208 8137.5,10195.5 8137.5,10085.5 8165,10058 8165,9858 8545,9478 10244.63,9478 10320,9553.37 10320,9561.09 10420,9661.09 10420,10580.5 10380,10620.5 10367.5,10620.5 10352.5,10635.5 10352.5,10653 10315,10690.5 10307.5,10690.5 10282.5,10715.5 10282.5,10730.5 10242.5,10770.5 10235,10770.5 10190,10815.5 10057.45,10815.5 v1(10037.45,10795.5)
  BOTTOM w10: v3(8048.5,10244.52) SSSS.C6@8064.25,10260.26
CTRL_IN2: P201.G27 P202.18 R202.1 SSSS.D6 | length 4814
  TOP w15.5: P202.18@9680,10900.5 9680.5,10901 R202.1@9680.5,10965.5 ; P201.G27@10133.27,10695.5 v1(10179.09,10695.5)
  L5_SIG w4.9: v3(8048.5,10276.01) 8064.01,10260.5 8115,10260.5 8127.96,10247.54 8127.96,10240.04 8137.79,10230.21 8145.29,10230.21 8155,10220.5 8155,10213 8166.25,10201.75 8173.75,10201.75 8189.06,10186.44 8189.06,10166.44 8220,10135.5 8220,9978 8207.5,9965.5 8207.5,9855.5 8537.5,9525.5 10242.13,9525.5 10320,9603.37 10320,9611.09 10400,9691.09 10400,10499.27 10284.38,10614.89 10240.61,10614.89 10179.09,10676.41 v1(10179.09,10695.5) 10197.5,10713.91 10197.5,10753 10180,10770.5 9955,10770.5 9875,10850.5 9730,10850.5 P202.18@9680,10900.5
CTRL_IN3: P201.G28 P202.17 R201.1 SSSS.D5 | length 3699.3
  TOP w15.5: P202.17@9680,10800.5 9680,10755.24 9680.5,10754.74 R201.1@9680.5,10730.5 ; P201.G28@10133.27,10745.5 v1(10179.09,10745.5)
  L5_SIG w4.9: v3(8017.01,10276.01) 8017.01,10265.01 8002.5,10250.5 8002.5,10240.5 7992.01,10230.01 7882.99,10230.01 7866.25,10246.75 7838.75,10246.75 7773.54,10311.96 7773.54,10496.96 7737.5,10533 7737.5,10790.5 7777.5,10830.5 7815,10830.5 7902.5,10918 7902.5,10925.5 8037.89,11060.89 8344.61,11060.89 8386.25,11019.25 8688.75,11019.25 8742.5,11073 9095,11073 9227.5,10940.5 9227.5,10893 9260,10860.5 9320,10860.5 9340,10840.5 9630.1,10840.5 9670.1,10800.5 P202.17@9680,10800.5 9680,10798 9755,10723 10156.59,10723 v1(10179.09,10745.5)
CTRL_OUT0: P201.G21 P202.11 SSSS.D4 | length 4533.9
  TOP w15.5: P201.G21@10133.27,10395.5 v1(10179.09,10395.5)
  L6_SIG w4.9: v3(7985.51,10276.01) 7996.99,10276.01 8012.5,10260.5 8025,10260.5 8032.5,10253 8032.5,10203 8050,10185.5 8050,10145.5 8387.5,9808 8582.5,9808 8592.5,9818 9905,9818 10002.5,9915.5 10195,9915.5 10207.5,9903 10335,9903 10350,9918 10391.25,9918 10435,9961.75 10435,10265.5 10379.89,10320.61 10355.1,10320.61 10302.71,10373 10201.59,10373 10193.29,10381.3 ; P202.11@9380,10800.5 9475,10705.5 10015,10705.5 10022.5,10713 10050,10713 10130,10633 10130,10443 10191.7,10381.3 10193.29,10381.3 ; v1(10179.09,10395.5) 10193.29,10381.3
CTRL_OUT1: P201.G22 P202.10 SSSS.E4 | length 4852
  TOP w15.5: P201.G22@10133.27,10445.5 v1(10179.09,10445.5)
  L6_SIG w4.9: v3(7985.51,10307.51) 7970,10292 7970,10270.5 7980,10260.5 7990,10260.5 8000,10250.5 8000,10203 8017.5,10185.5 8017.5,10145.5 8200,9963 8200,9910.5 8225,9885.5 8250,9885.5 8342.5,9793 8600,9793 8607.5,9800.5 9967.5,9800.5 9987.5,9820.5 10060,9820.5 10080,9840.5 10207.5,9840.5 10220,9828 10345,9828 10460,9943 10460,10289.78 10326.78,10423 10201.59,10423 10189.54,10435.05 ; P202.10@9280,10900.5 9332.5,10848 9400,10848 9427.5,10820.5 9427.5,10793 9485,10735.5 10062.5,10735.5 10170,10628 10170,10533 10160,10523 10160,10465.5 10189.54,10435.96 10189.54,10435.05 ; v1(10179.09,10445.5) 10189.54,10435.05
CTRL_OUT2: P201.H25 P202.9 SSSS.E5 | length 3189.8
  TOP w15.5: v1(10037.45,10595.5) P201.H25@10083.27,10595.5
  L5_SIG w4.9: v3(8017.01,10307.51) 8007.01,10307.51 7990,10290.5 7915,10290.5 7862.94,10342.56 7862.94,10353 7830,10385.94 7830,10558.16 7820,10568.16 7820,10723 7997.5,10900.5 8017.5,10900.5 8072.5,10955.5 8322.5,10955.5 8357.5,10920.5 8665,10920.5 8770,11025.5 8970,11025.5 8990,11005.5 9035,11005.5 9130,10910.5 9130,10888 9167.5,10850.5 9190.04,10850.5 9240.04,10800.5 P202.9@9280,10800.5 9485,10595.5 v1(10037.45,10595.5)
CTRL_OUT3: P201.H26 P202.8 SSSS.E6 | length 3402.6
  TOP w15.5: v1(10037.45,10645.5) P201.H26@10083.27,10645.5
  L5_SIG w4.9: v3(8048.5,10307.51) 8037.01,10307.51 8023.56,10294.06 8013.56,10294.06 8000,10280.5 8000,10270.5 7990,10260.5 7890.07,10260.5 7809.87,10340.7 7809.87,10500.63 7777.5,10533 7777.5,10758 7832,10812.5 7872,10812.5 7894,10834.5 7894,10849.5 8052.5,11008 8101,11008 8130.5,10978.5 8367,10978.5 8382.5,10963 8672.5,10963 8755,11045.5 9080,11045.5 9101.54,11023.96 9101.54,10998.96 9180,10920.5 P202.8@9180,10900.5 9240,10840.5 9302.5,10840.5 9332.5,10810.5 9332.5,10790.5 9477.5,10645.5 v1(10037.45,10645.5)